# Altium PCB touch-tara-h-3 (final).PcbDoc (part 1 of 8)
Units mm, origin at the board's own origin, x right, y up, seen from the top; angles counter-clockwise.
Board outline 447.8 x 276.35 mm, 2 copper layers (Top Layer, Bottom Layer); 1040 components, 28 nets, 3254 pads, 0 vias.
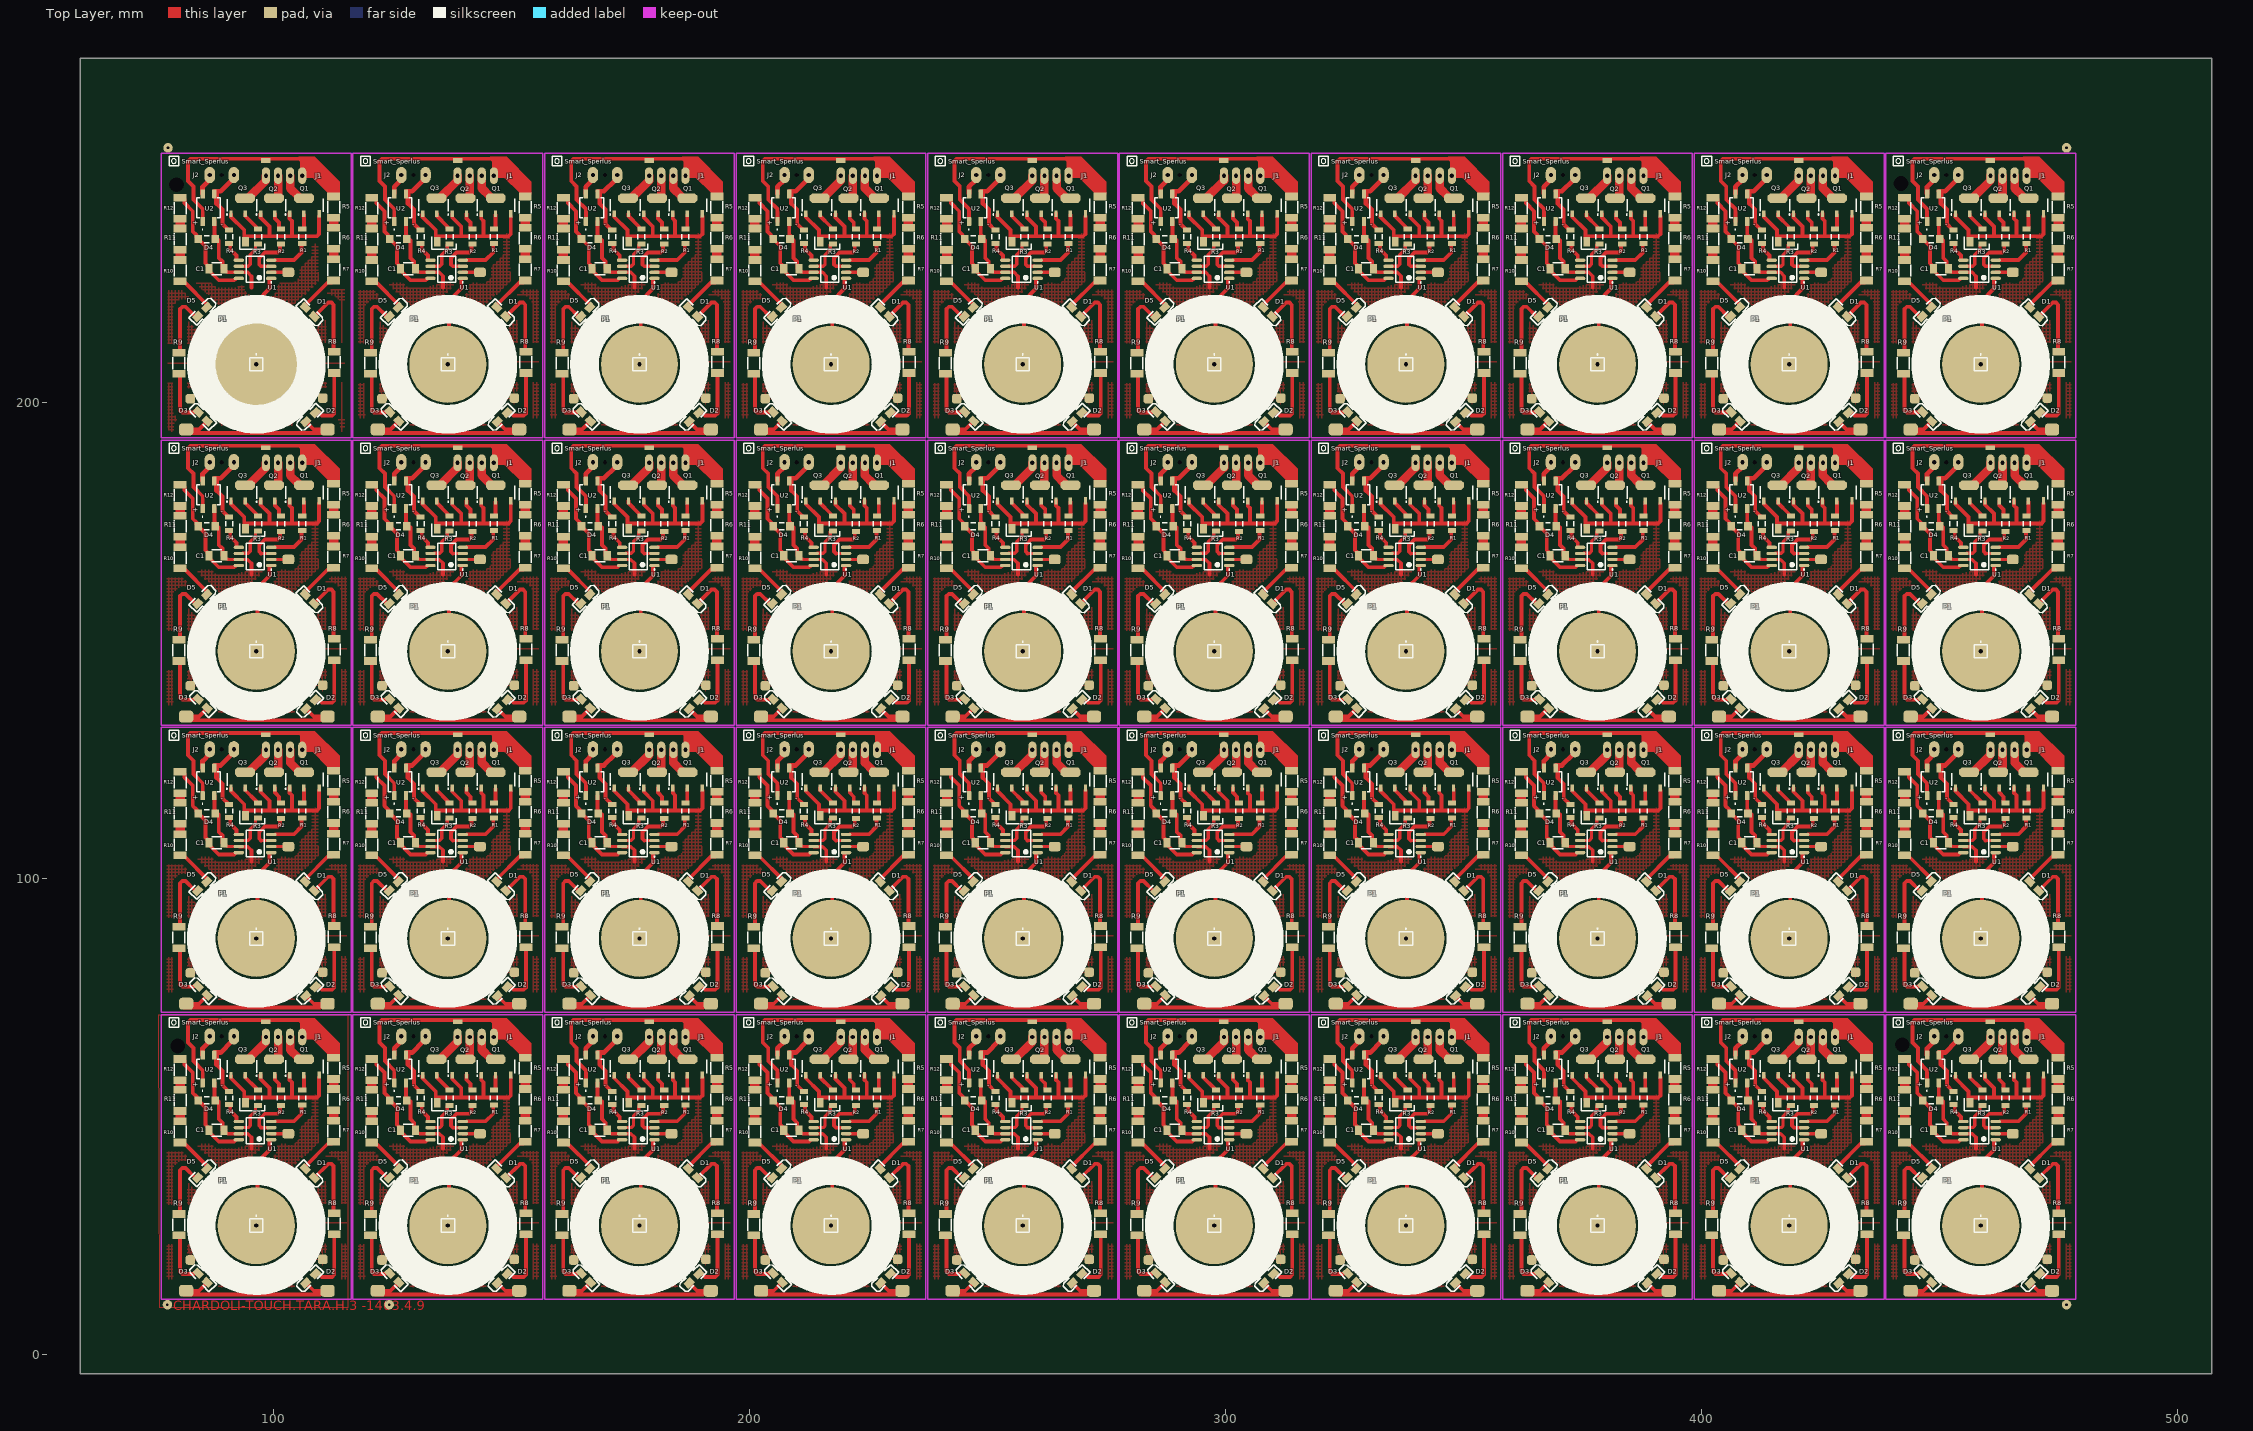
[diagram p0: Top Layer view]
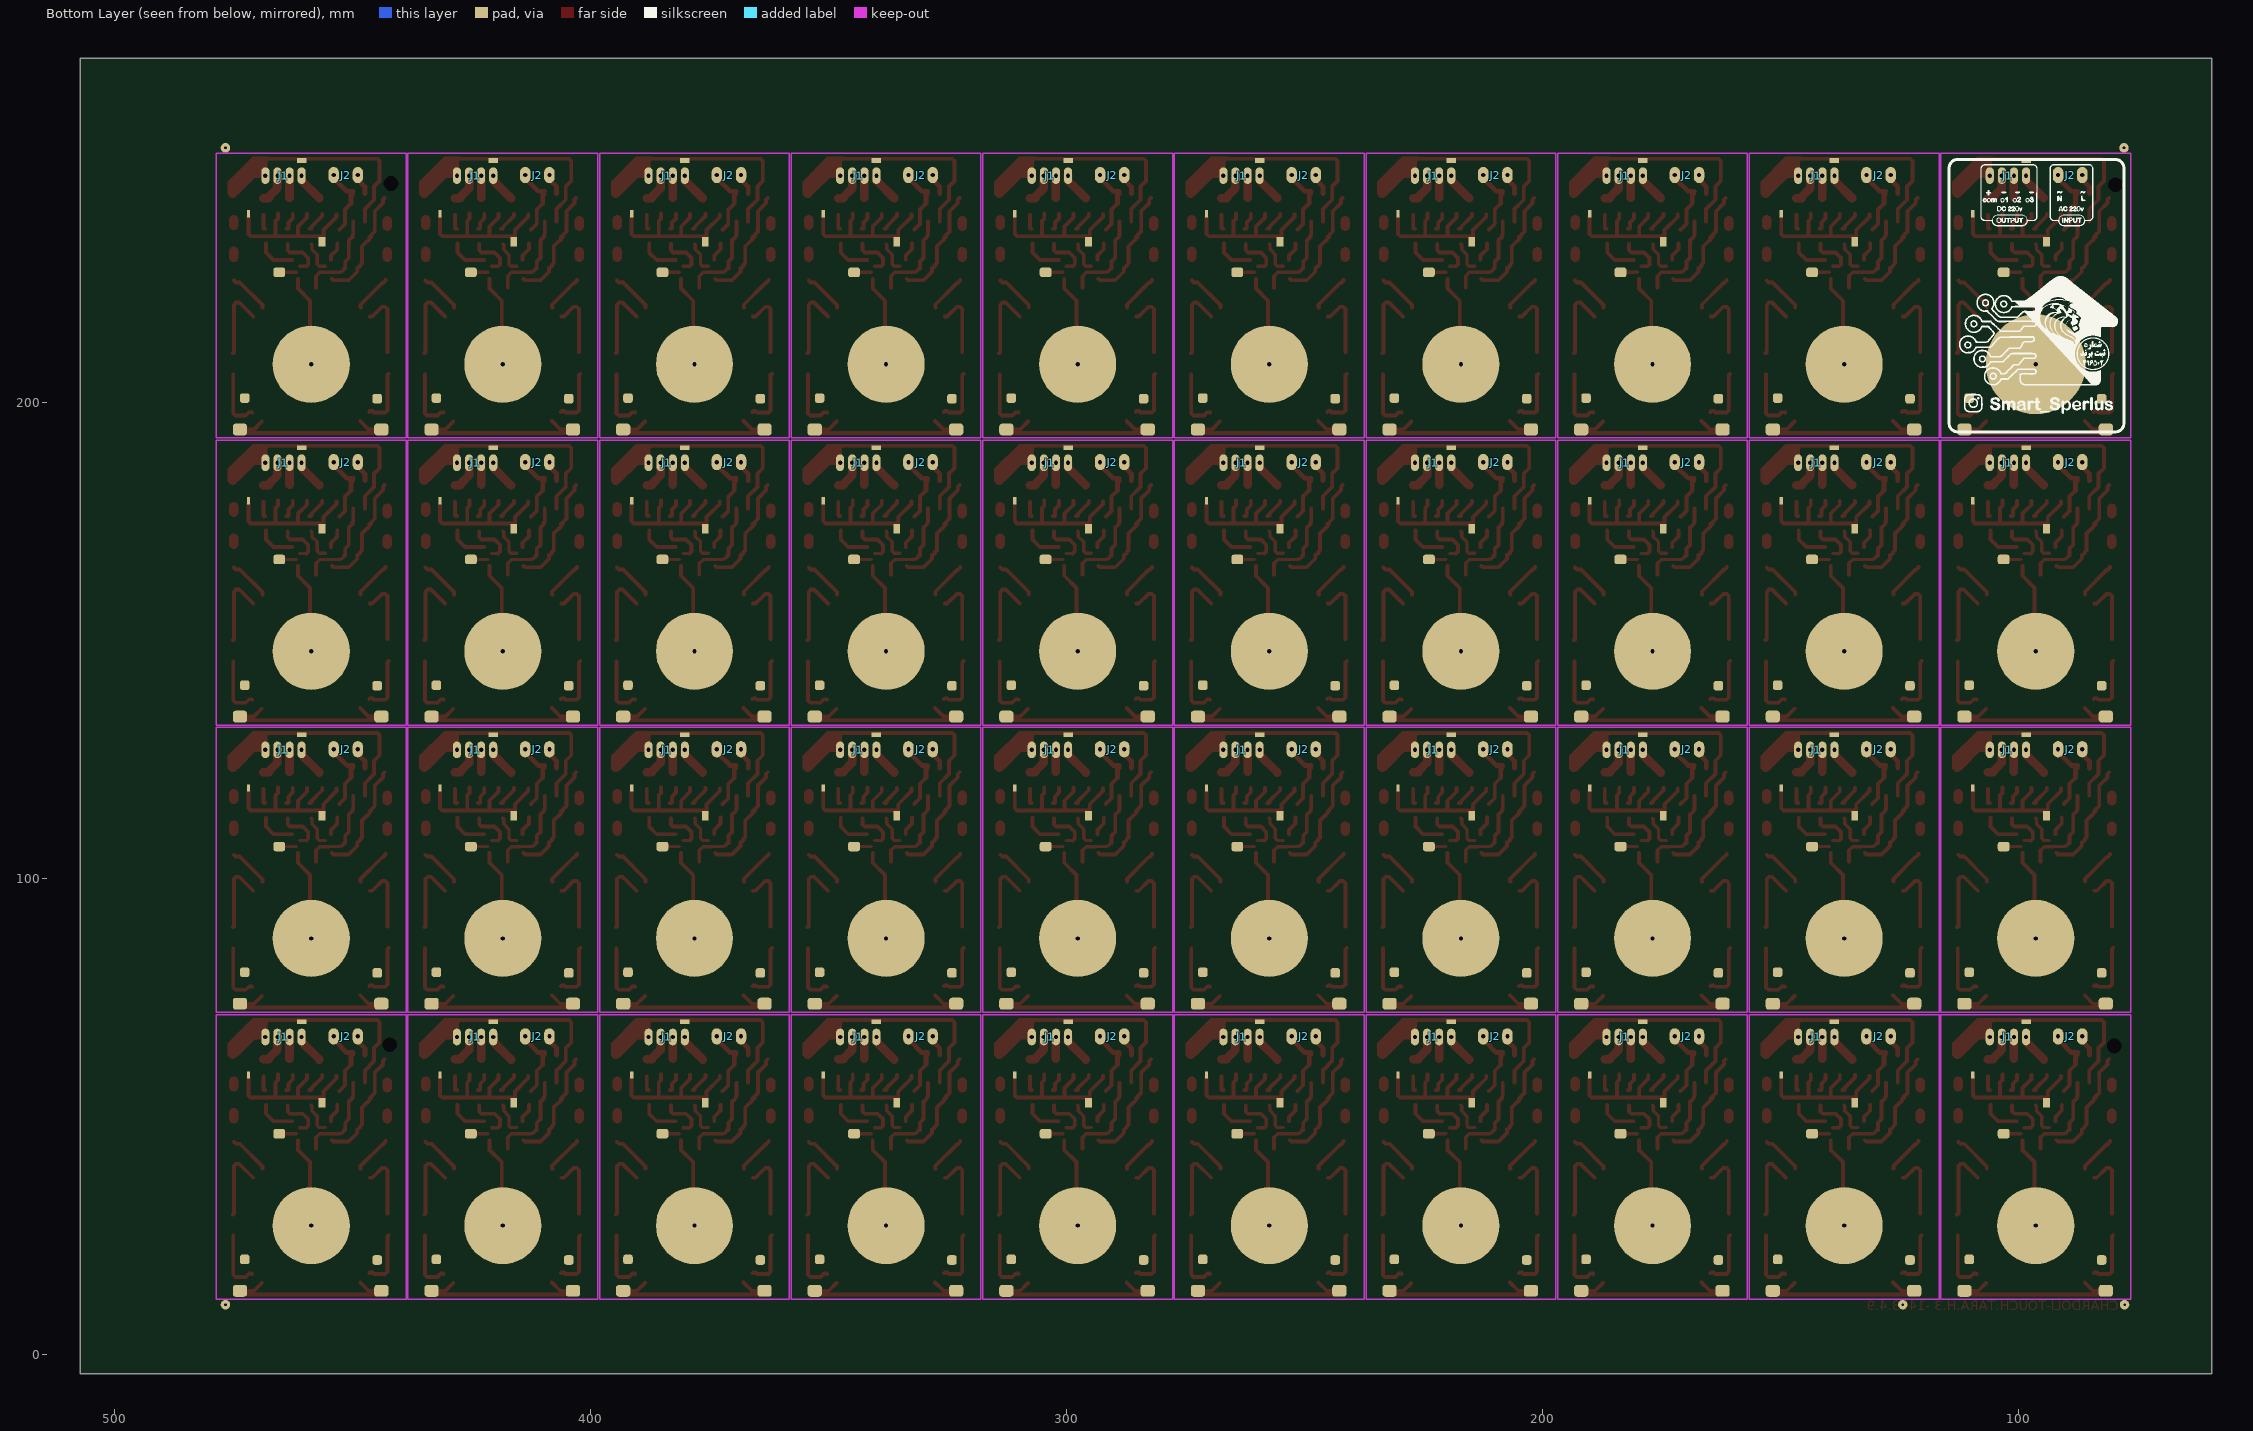
[diagram p1: Bottom Layer view, seen from below]

## Layer stack, top to bottom
Top Solder: solder mask 0.0102, Solder Resist, Dk 3.5
Top Layer: signal copper 0.0356
Dielectric1: dielectric 0.32, FR-4, Dk 4.8
Bottom Layer: signal copper 0.0356
Bottom Solder: solder mask 0.0102, Solder Resist, Dk 3.5

## Board outline
63.373,272.288 507.238,272.288 507.238,-4.064 59.436,-4.064 59.436,272.288

## Design rules (kind name [scope] priority, off if disabled: settings)
Clearance Clearance_1 [InPolygon] p1: gap=1 ignorepadtopadclearanceinfootprint=FALSE except(0: Arc-Hole Track-Hole SMDPad-Hole THPad-Hole Via-Hole Fill-Hole Poly-Hole Region-Hole Text-Hole)
Clearance [All] p2: gap=0.6 ignorepadtopadclearanceinfootprint=FALSE except(0: Arc-Hole Track-Hole SMDPad-Hole THPad-Hole Via-Hole Fill-Hole Poly-Hole Region-Hole Text-Hole)
FabricationTestpoint [(IsPad And (OnTopLayer Or OnBottomLayer))] p1: side=3 testpointundercomponent=TRUE minsize=1.016 maxsize=2.54 preferedsize=1.524 minholesize=0 maxholesize=1.016 preferedholesize=0.813 testpointgrid=0.025 allowsidetop=TRUE allowsidebottom=TRUE usegrid=TRUE gridtolerance=0
PolygonConnect [All] p1: connectstyle=Relief reliefconductorwidth=0.254 reliefentries=4 polygonreliefangle="90 Angle" airgapwidth=0.254
RoutingLayers [All] p1: top layer_v5=FALSE bottom layer_v5=TRUE
RoutingVias [All] p1: holewidth=0.711 width=2.5 viastyle="Through Hole" minholewidth=0.711 minwidth=1.27 maxholewidth=0.711 maxwidth=2
SolderMaskExpansion [All] p1: expansion=0.102 istentingtop=FALSE
Width [All] p1: maxlimit=3 minlimit=0.5 preferedwidth=1
28 further rules are at their usual default settings.

## Classes and differential pairs
component class touch-tara-h: C1 D1 D2 D3 D4 D5 D21 D22 D23 J5 J8 JP? P1 P5 P7 Q2 Q3 R1 R2 R3 R10 R11 R12 R22 U1 U2 U17

## Components (designator, comment, footprint, x,y, rotation, side; value= is the part's Value field where it differs from the comment)
C1 "=Value" "CAP 1206" 85.979,53.34 r0 top
C1 "=Value" "CAP 1206" 126.238,53.34 r0 top
C1 "=Value" "CAP 1206" 166.497,53.34 r0 top
C1 "=Value" "CAP 1206" 206.756,53.34 r0 top
C1 "=Value" "CAP 1206" 247.015,53.34 r0 top
C1 "=Value" "CAP 1206" 287.274,53.34 r0 top
C1 "=Value" "CAP 1206" 327.533,53.34 r0 top
C1 "=Value" "CAP 1206" 367.792,53.34 r0 top
C1 "=Value" "CAP 1206" 408.051,53.34 r0 top
C1 "=Value" "CAP 1206" 448.31,53.34 r0 top
C1 "=Value" "CAP 1206" 85.979,113.665 r0 top
C1 "=Value" "CAP 1206" 126.238,113.665 r0 top
C1 "=Value" "CAP 1206" 166.497,113.665 r0 top
C1 "=Value" "CAP 1206" 206.756,113.665 r0 top
C1 "=Value" "CAP 1206" 247.015,113.665 r0 top
C1 "=Value" "CAP 1206" 287.274,113.665 r0 top
C1 "=Value" "CAP 1206" 327.533,113.665 r0 top
C1 "=Value" "CAP 1206" 367.792,113.665 r0 top
C1 "=Value" "CAP 1206" 408.051,113.665 r0 top
C1 "=Value" "CAP 1206" 448.31,113.665 r0 top
C1 "=Value" "CAP 1206" 448.31,173.99 r0 top
C1 "=Value" "CAP 1206" 408.051,173.99 r0 top
C1 "=Value" "CAP 1206" 367.792,173.99 r0 top
C1 "=Value" "CAP 1206" 327.533,173.99 r0 top
C1 "=Value" "CAP 1206" 287.274,173.99 r0 top
C1 "=Value" "CAP 1206" 247.015,173.99 r0 top
C1 "=Value" "CAP 1206" 206.756,173.99 r0 top
C1 "=Value" "CAP 1206" 166.497,173.99 r0 top
C1 "=Value" "CAP 1206" 126.238,173.99 r0 top
C1 "=Value" "CAP 1206" 85.979,173.99 r0 top
C1 "=Value" "CAP 1206" 448.31,234.315 r0 top
C1 "=Value" "CAP 1206" 408.051,234.315 r0 top
C1 "=Value" "CAP 1206" 367.792,234.315 r0 top
C1 "=Value" "CAP 1206" 327.533,234.315 r0 top
C1 "=Value" "CAP 1206" 287.274,234.315 r0 top
C1 "=Value" "CAP 1206" 247.015,234.315 r0 top
C1 "=Value" "CAP 1206" 206.756,234.315 r0 top
C1 "=Value" "CAP 1206" 166.497,234.315 r0 top
C1 "=Value" "CAP 1206" 126.238,234.315 r0 top
C1 "=Value" "CAP 1206" 85.979,234.315 r0 top
D1 "LED2" 3.2X1.6X1.1#1 107.569,37.973 r315 top
D1 "LED2" 3.2X1.6X1.1#1 147.828,37.973 r315 top
D1 "LED2" 3.2X1.6X1.1#1 188.087,37.973 r315 top
D1 "LED2" 3.2X1.6X1.1#1 228.346,37.973 r315 top
D1 "LED2" 3.2X1.6X1.1#1 268.605,37.973 r315 top
D1 "LED2" 3.2X1.6X1.1#1 308.864,37.973 r315 top
D1 "LED2" 3.2X1.6X1.1#1 349.123,37.973 r315 top
D1 "LED2" 3.2X1.6X1.1#1 389.382,37.973 r315 top
D1 "LED2" 3.2X1.6X1.1#1 429.641,37.973 r315 top
D1 "LED2" 3.2X1.6X1.1#1 469.9,37.973 r315 top
D1 "LED2" 3.2X1.6X1.1#1 107.569,98.298 r315 top
D1 "LED2" 3.2X1.6X1.1#1 147.828,98.298 r315 top
D1 "LED2" 3.2X1.6X1.1#1 188.087,98.298 r315 top
D1 "LED2" 3.2X1.6X1.1#1 228.346,98.298 r315 top
D1 "LED2" 3.2X1.6X1.1#1 268.605,98.298 r315 top
D1 "LED2" 3.2X1.6X1.1#1 308.864,98.298 r315 top
D1 "LED2" 3.2X1.6X1.1#1 349.123,98.298 r315 top
D1 "LED2" 3.2X1.6X1.1#1 389.382,98.298 r315 top
D1 "LED2" 3.2X1.6X1.1#1 429.641,98.298 r315 top
D1 "LED2" 3.2X1.6X1.1#1 469.9,98.298 r315 top
D1 "LED2" 3.2X1.6X1.1#1 469.9,158.623 r315 top
D1 "LED2" 3.2X1.6X1.1#1 429.641,158.623 r315 top
D1 "LED2" 3.2X1.6X1.1#1 389.382,158.623 r315 top
D1 "LED2" 3.2X1.6X1.1#1 349.123,158.623 r315 top
D1 "LED2" 3.2X1.6X1.1#1 308.864,158.623 r315 top
D1 "LED2" 3.2X1.6X1.1#1 268.605,158.623 r315 top
D1 "LED2" 3.2X1.6X1.1#1 228.346,158.623 r315 top
D1 "LED2" 3.2X1.6X1.1#1 188.087,158.623 r315 top
D1 "LED2" 3.2X1.6X1.1#1 147.828,158.623 r315 top
D1 "LED2" 3.2X1.6X1.1#1 107.569,158.623 r315 top
D1 "LED2" 3.2X1.6X1.1#1 469.9,218.948 r315 top
D1 "LED2" 3.2X1.6X1.1#1 429.641,218.948 r315 top
D1 "LED2" 3.2X1.6X1.1#1 389.382,218.948 r315 top
D1 "LED2" 3.2X1.6X1.1#1 349.123,218.948 r315 top
D1 "LED2" 3.2X1.6X1.1#1 308.864,218.948 r315 top
D1 "LED2" 3.2X1.6X1.1#1 268.605,218.948 r315 top
D1 "LED2" 3.2X1.6X1.1#1 228.346,218.948 r315 top
D1 "LED2" 3.2X1.6X1.1#1 188.087,218.948 r315 top
D1 "LED2" 3.2X1.6X1.1#1 147.828,218.948 r315 top
D1 "LED2" 3.2X1.6X1.1#1 107.569,218.948 r315 top
D2 "LED2" 3.2X1.6X1.1#2 107.696,16.002 r225 top
D2 "LED2" 3.2X1.6X1.1#2 147.955,16.002 r225 top
D2 "LED2" 3.2X1.6X1.1#2 188.214,16.002 r225 top
D2 "LED2" 3.2X1.6X1.1#2 228.473,16.002 r225 top
D2 "LED2" 3.2X1.6X1.1#2 268.732,16.002 r225 top
D2 "LED2" 3.2X1.6X1.1#2 308.991,16.002 r225 top
D2 "LED2" 3.2X1.6X1.1#2 349.25,16.002 r225 top
D2 "LED2" 3.2X1.6X1.1#2 389.509,16.002 r225 top
D2 "LED2" 3.2X1.6X1.1#2 429.768,16.002 r225 top
D2 "LED2" 3.2X1.6X1.1#2 470.027,16.002 r225 top
D2 "LED2" 3.2X1.6X1.1#2 107.696,76.327 r225 top
D2 "LED2" 3.2X1.6X1.1#2 147.955,76.327 r225 top
D2 "LED2" 3.2X1.6X1.1#2 188.214,76.327 r225 top
D2 "LED2" 3.2X1.6X1.1#2 228.473,76.327 r225 top
D2 "LED2" 3.2X1.6X1.1#2 268.732,76.327 r225 top
D2 "LED2" 3.2X1.6X1.1#2 308.991,76.327 r225 top
D2 "LED2" 3.2X1.6X1.1#2 349.25,76.327 r225 top
D2 "LED2" 3.2X1.6X1.1#2 389.509,76.327 r225 top
D2 "LED2" 3.2X1.6X1.1#2 429.768,76.327 r225 top
D2 "LED2" 3.2X1.6X1.1#2 470.027,76.327 r225 top
D2 "LED2" 3.2X1.6X1.1#2 470.027,136.652 r225 top
D2 "LED2" 3.2X1.6X1.1#2 429.768,136.652 r225 top
D2 "LED2" 3.2X1.6X1.1#2 389.509,136.652 r225 top
D2 "LED2" 3.2X1.6X1.1#2 349.25,136.652 r225 top
D2 "LED2" 3.2X1.6X1.1#2 308.991,136.652 r225 top
D2 "LED2" 3.2X1.6X1.1#2 268.732,136.652 r225 top
D2 "LED2" 3.2X1.6X1.1#2 228.473,136.652 r225 top
D2 "LED2" 3.2X1.6X1.1#2 188.214,136.652 r225 top
D2 "LED2" 3.2X1.6X1.1#2 147.955,136.652 r225 top
D2 "LED2" 3.2X1.6X1.1#2 107.696,136.652 r225 top
D2 "LED2" 3.2X1.6X1.1#2 470.027,196.977 r225 top
D2 "LED2" 3.2X1.6X1.1#2 429.768,196.977 r225 top
D2 "LED2" 3.2X1.6X1.1#2 389.509,196.977 r225 top
D2 "LED2" 3.2X1.6X1.1#2 349.25,196.977 r225 top
D2 "LED2" 3.2X1.6X1.1#2 308.991,196.977 r225 top
D2 "LED2" 3.2X1.6X1.1#2 268.732,196.977 r225 top
D2 "LED2" 3.2X1.6X1.1#2 228.473,196.977 r225 top
D2 "LED2" 3.2X1.6X1.1#2 188.214,196.977 r225 top
D2 "LED2" 3.2X1.6X1.1#2 147.955,196.977 r225 top
D2 "LED2" 3.2X1.6X1.1#2 107.696,196.977 r225 top
D3 "LED2" 3.2X1.6X1.1#3 85.217,16.002 r135 top
D3 "LED2" 3.2X1.6X1.1#3 125.476,16.002 r135 top
D3 "LED2" 3.2X1.6X1.1#3 165.735,16.002 r135 top
D3 "LED2" 3.2X1.6X1.1#3 205.994,16.002 r135 top
D3 "LED2" 3.2X1.6X1.1#3 246.253,16.002 r135 top
D3 "LED2" 3.2X1.6X1.1#3 286.512,16.002 r135 top
D3 "LED2" 3.2X1.6X1.1#3 326.771,16.002 r135 top
D3 "LED2" 3.2X1.6X1.1#3 367.03,16.002 r135 top
D3 "LED2" 3.2X1.6X1.1#3 407.289,16.002 r135 top
D3 "LED2" 3.2X1.6X1.1#3 447.548,16.002 r135 top
D3 "LED2" 3.2X1.6X1.1#3 85.217,76.327 r135 top
D3 "LED2" 3.2X1.6X1.1#3 125.476,76.327 r135 top
D3 "LED2" 3.2X1.6X1.1#3 165.735,76.327 r135 top
D3 "LED2" 3.2X1.6X1.1#3 205.994,76.327 r135 top
D3 "LED2" 3.2X1.6X1.1#3 246.253,76.327 r135 top
D3 "LED2" 3.2X1.6X1.1#3 286.512,76.327 r135 top
D3 "LED2" 3.2X1.6X1.1#3 326.771,76.327 r135 top
D3 "LED2" 3.2X1.6X1.1#3 367.03,76.327 r135 top
D3 "LED2" 3.2X1.6X1.1#3 407.289,76.327 r135 top
D3 "LED2" 3.2X1.6X1.1#3 447.548,76.327 r135 top
D3 "LED2" 3.2X1.6X1.1#3 447.548,136.652 r135 top
D3 "LED2" 3.2X1.6X1.1#3 407.289,136.652 r135 top
D3 "LED2" 3.2X1.6X1.1#3 367.03,136.652 r135 top
D3 "LED2" 3.2X1.6X1.1#3 326.771,136.652 r135 top
D3 "LED2" 3.2X1.6X1.1#3 286.512,136.652 r135 top
D3 "LED2" 3.2X1.6X1.1#3 246.253,136.652 r135 top
D3 "LED2" 3.2X1.6X1.1#3 205.994,136.652 r135 top
D3 "LED2" 3.2X1.6X1.1#3 165.735,136.652 r135 top
D3 "LED2" 3.2X1.6X1.1#3 125.476,136.652 r135 top
D3 "LED2" 3.2X1.6X1.1#3 85.217,136.652 r135 top
D3 "LED2" 3.2X1.6X1.1#3 447.548,196.977 r135 top
D3 "LED2" 3.2X1.6X1.1#3 407.289,196.977 r135 top
D3 "LED2" 3.2X1.6X1.1#3 367.03,196.977 r135 top
D3 "LED2" 3.2X1.6X1.1#3 326.771,196.977 r135 top
D3 "LED2" 3.2X1.6X1.1#3 286.512,196.977 r135 top
D3 "LED2" 3.2X1.6X1.1#3 246.253,196.977 r135 top
D3 "LED2" 3.2X1.6X1.1#3 205.994,196.977 r135 top
D3 "LED2" 3.2X1.6X1.1#3 165.735,196.977 r135 top
D3 "LED2" 3.2X1.6X1.1#3 125.476,196.977 r135 top
D3 "LED2" 3.2X1.6X1.1#3 85.217,196.977 r135 top
D4 "Diode" C1206 88.265,47.117 r180 top
D4 "Diode" C1206 128.524,47.117 r180 top
D4 "Diode" C1206 168.783,47.117 r180 top
D4 "Diode" C1206 209.042,47.117 r180 top
D4 "Diode" C1206 249.301,47.117 r180 top
D4 "Diode" C1206 289.56,47.117 r180 top
D4 "Diode" C1206 329.819,47.117 r180 top
D4 "Diode" C1206 370.078,47.117 r180 top
D4 "Diode" C1206 410.337,47.117 r180 top
D4 "Diode" C1206 450.596,47.117 r180 top
D4 "Diode" C1206 88.265,107.442 r180 top
D4 "Diode" C1206 128.524,107.442 r180 top
D4 "Diode" C1206 168.783,107.442 r180 top
D4 "Diode" C1206 209.042,107.442 r180 top
D4 "Diode" C1206 249.301,107.442 r180 top
D4 "Diode" C1206 289.56,107.442 r180 top
D4 "Diode" C1206 329.819,107.442 r180 top
D4 "Diode" C1206 370.078,107.442 r180 top
D4 "Diode" C1206 410.337,107.442 r180 top
D4 "Diode" C1206 450.596,107.442 r180 top
D4 "Diode" C1206 450.596,167.767 r180 top
D4 "Diode" C1206 410.337,167.767 r180 top
D4 "Diode" C1206 370.078,167.767 r180 top
D4 "Diode" C1206 329.819,167.767 r180 top
D4 "Diode" C1206 289.56,167.767 r180 top
D4 "Diode" C1206 249.301,167.767 r180 top
D4 "Diode" C1206 209.042,167.767 r180 top
D4 "Diode" C1206 168.783,167.767 r180 top
D4 "Diode" C1206 128.524,167.767 r180 top
D4 "Diode" C1206 88.265,167.767 r180 top
D4 "Diode" C1206 450.596,228.092 r180 top
D4 "Diode" C1206 410.337,228.092 r180 top
D4 "Diode" C1206 370.078,228.092 r180 top
D4 "Diode" C1206 329.819,228.092 r180 top
D4 "Diode" C1206 289.56,228.092 r180 top
D4 "Diode" C1206 249.301,228.092 r180 top
D4 "Diode" C1206 209.042,228.092 r180 top
D4 "Diode" C1206 168.783,228.092 r180 top
D4 "Diode" C1206 128.524,228.092 r180 top
D4 "Diode" C1206 88.265,228.092 r180 top
D5 "LED2" 3.2X1.6X1.1#4 85.09,38.1 r45 top
D5 "LED2" 3.2X1.6X1.1#4 125.349,38.1 r45 top
D5 "LED2" 3.2X1.6X1.1#4 165.608,38.1 r45 top
D5 "LED2" 3.2X1.6X1.1#4 205.867,38.1 r45 top
D5 "LED2" 3.2X1.6X1.1#4 246.126,38.1 r45 top
D5 "LED2" 3.2X1.6X1.1#4 286.385,38.1 r45 top
D5 "LED2" 3.2X1.6X1.1#4 326.644,38.1 r45 top
D5 "LED2" 3.2X1.6X1.1#4 366.903,38.1 r45 top
D5 "LED2" 3.2X1.6X1.1#4 407.162,38.1 r45 top
D5 "LED2" 3.2X1.6X1.1#4 447.421,38.1 r45 top
D5 "LED2" 3.2X1.6X1.1#4 85.09,98.425 r45 top
D5 "LED2" 3.2X1.6X1.1#4 125.349,98.425 r45 top
D5 "LED2" 3.2X1.6X1.1#4 165.608,98.425 r45 top
D5 "LED2" 3.2X1.6X1.1#4 205.867,98.425 r45 top
D5 "LED2" 3.2X1.6X1.1#4 246.126,98.425 r45 top
D5 "LED2" 3.2X1.6X1.1#4 286.385,98.425 r45 top
D5 "LED2" 3.2X1.6X1.1#4 326.644,98.425 r45 top
D5 "LED2" 3.2X1.6X1.1#4 366.903,98.425 r45 top
D5 "LED2" 3.2X1.6X1.1#4 407.162,98.425 r45 top
D5 "LED2" 3.2X1.6X1.1#4 447.421,98.425 r45 top
D5 "LED2" 3.2X1.6X1.1#4 447.421,158.75 r45 top
D5 "LED2" 3.2X1.6X1.1#4 407.162,158.75 r45 top
D5 "LED2" 3.2X1.6X1.1#4 366.903,158.75 r45 top
D5 "LED2" 3.2X1.6X1.1#4 326.644,158.75 r45 top
D5 "LED2" 3.2X1.6X1.1#4 286.385,158.75 r45 top
D5 "LED2" 3.2X1.6X1.1#4 246.126,158.75 r45 top
D5 "LED2" 3.2X1.6X1.1#4 205.867,158.75 r45 top
D5 "LED2" 3.2X1.6X1.1#4 165.608,158.75 r45 top
D5 "LED2" 3.2X1.6X1.1#4 125.349,158.75 r45 top
D5 "LED2" 3.2X1.6X1.1#4 85.09,158.75 r45 top
D5 "LED2" 3.2X1.6X1.1#4 447.421,219.075 r45 top
D5 "LED2" 3.2X1.6X1.1#4 407.162,219.075 r45 top
D5 "LED2" 3.2X1.6X1.1#4 366.903,219.075 r45 top
D5 "LED2" 3.2X1.6X1.1#4 326.644,219.075 r45 top
D5 "LED2" 3.2X1.6X1.1#4 286.385,219.075 r45 top
D5 "LED2" 3.2X1.6X1.1#4 246.126,219.075 r45 top
D5 "LED2" 3.2X1.6X1.1#4 205.867,219.075 r45 top
D5 "LED2" 3.2X1.6X1.1#4 165.608,219.075 r45 top
D5 "LED2" 3.2X1.6X1.1#4 125.349,219.075 r45 top
D5 "LED2" 3.2X1.6X1.1#4 85.09,219.075 r45 top
J1 "Header4X1" "HEADER 4X1" 106.045,66.675 r180 bottom
J1 "Header4X1" "HEADER 4X1" 146.304,66.675 r180 bottom
J1 "Header4X1" "HEADER 4X1" 186.563,66.675 r180 bottom
J1 "Header4X1" "HEADER 4X1" 226.822,66.675 r180 bottom
J1 "Header4X1" "HEADER 4X1" 267.081,66.675 r180 bottom
J1 "Header4X1" "HEADER 4X1" 307.34,66.675 r180 bottom
J1 "Header4X1" "HEADER 4X1" 347.599,66.675 r180 bottom
J1 "Header4X1" "HEADER 4X1" 387.858,66.675 r180 bottom
J1 "Header4X1" "HEADER 4X1" 428.117,66.675 r180 bottom
J1 "Header4X1" "HEADER 4X1" 468.376,66.675 r180 bottom
J1 "Header4X1" "HEADER 4X1" 106.045,127 r180 bottom
J1 "Header4X1" "HEADER 4X1" 146.304,127 r180 bottom
J1 "Header4X1" "HEADER 4X1" 186.563,127 r180 bottom
J1 "Header4X1" "HEADER 4X1" 226.822,127 r180 bottom
J1 "Header4X1" "HEADER 4X1" 267.081,127 r180 bottom
J1 "Header4X1" "HEADER 4X1" 307.34,127 r180 bottom
J1 "Header4X1" "HEADER 4X1" 347.599,127 r180 bottom
J1 "Header4X1" "HEADER 4X1" 387.858,127 r180 bottom
J1 "Header4X1" "HEADER 4X1" 428.117,127 r180 bottom
J1 "Header4X1" "HEADER 4X1" 468.376,127 r180 bottom
J1 "Header4X1" "HEADER 4X1" 468.376,187.325 r180 bottom
J1 "Header4X1" "HEADER 4X1" 428.117,187.325 r180 bottom
J1 "Header4X1" "HEADER 4X1" 387.858,187.325 r180 bottom
J1 "Header4X1" "HEADER 4X1" 347.599,187.325 r180 bottom
J1 "Header4X1" "HEADER 4X1" 307.34,187.325 r180 bottom
J1 "Header4X1" "HEADER 4X1" 267.081,187.325 r180 bottom
J1 "Header4X1" "HEADER 4X1" 226.822,187.325 r180 bottom
J1 "Header4X1" "HEADER 4X1" 186.563,187.325 r180 bottom
J1 "Header4X1" "HEADER 4X1" 146.304,187.325 r180 bottom
J1 "Header4X1" "HEADER 4X1" 106.045,187.325 r180 bottom
J1 "Header4X1" "HEADER 4X1" 468.376,247.65 r180 bottom
J1 "Header4X1" "HEADER 4X1" 428.117,247.65 r180 bottom
J1 "Header4X1" "HEADER 4X1" 387.858,247.65 r180 bottom
J1 "Header4X1" "HEADER 4X1" 347.599,247.65 r180 bottom
J1 "Header4X1" "HEADER 4X1" 307.34,247.65 r180 bottom
J1 "Header4X1" "HEADER 4X1" 267.081,247.65 r180 bottom
J1 "Header4X1" "HEADER 4X1" 226.822,247.65 r180 bottom
J1 "Header4X1" "HEADER 4X1" 186.563,247.65 r180 bottom
J1 "Header4X1" "HEADER 4X1" 146.304,247.65 r180 bottom
J1 "Header4X1" "HEADER 4X1" 106.045,247.65 r180 bottom
J2 "Header3X1" "HEADER 3X1" 86.614,66.802 r0 bottom
J2 "Header3X1" "HEADER 3X1" 126.873,66.802 r0 bottom
J2 "Header3X1" "HEADER 3X1" 167.132,66.802 r0 bottom
J2 "Header3X1" "HEADER 3X1" 207.391,66.802 r0 bottom
J2 "Header3X1" "HEADER 3X1" 247.65,66.802 r0 bottom
J2 "Header3X1" "HEADER 3X1" 287.909,66.802 r0 bottom
J2 "Header3X1" "HEADER 3X1" 328.168,66.802 r0 bottom
J2 "Header3X1" "HEADER 3X1" 368.427,66.802 r0 bottom
J2 "Header3X1" "HEADER 3X1" 408.686,66.802 r0 bottom
J2 "Header3X1" "HEADER 3X1" 448.945,66.802 r0 bottom
J2 "Header3X1" "HEADER 3X1" 86.614,127.127 r0 bottom
J2 "Header3X1" "HEADER 3X1" 126.873,127.127 r0 bottom
J2 "Header3X1" "HEADER 3X1" 167.132,127.127 r0 bottom
J2 "Header3X1" "HEADER 3X1" 207.391,127.127 r0 bottom
J2 "Header3X1" "HEADER 3X1" 247.65,127.127 r0 bottom
J2 "Header3X1" "HEADER 3X1" 287.909,127.127 r0 bottom
J2 "Header3X1" "HEADER 3X1" 328.168,127.127 r0 bottom
J2 "Header3X1" "HEADER 3X1" 368.427,127.127 r0 bottom
J2 "Header3X1" "HEADER 3X1" 408.686,127.127 r0 bottom
J2 "Header3X1" "HEADER 3X1" 448.945,127.127 r0 bottom
J2 "Header3X1" "HEADER 3X1" 448.945,187.452 r0 bottom
J2 "Header3X1" "HEADER 3X1" 408.686,187.452 r0 bottom
J2 "Header3X1" "HEADER 3X1" 368.427,187.452 r0 bottom
J2 "Header3X1" "HEADER 3X1" 328.168,187.452 r0 bottom
J2 "Header3X1" "HEADER 3X1" 287.909,187.452 r0 bottom
J2 "Header3X1" "HEADER 3X1" 247.65,187.452 r0 bottom
J2 "Header3X1" "HEADER 3X1" 207.391,187.452 r0 bottom
J2 "Header3X1" "HEADER 3X1" 167.132,187.452 r0 bottom
J2 "Header3X1" "HEADER 3X1" 126.873,187.452 r0 bottom
J2 "Header3X1" "HEADER 3X1" 86.614,187.452 r0 bottom
J2 "Header3X1" "HEADER 3X1" 448.945,247.777 r0 bottom
J2 "Header3X1" "HEADER 3X1" 408.686,247.777 r0 bottom
J2 "Header3X1" "HEADER 3X1" 368.427,247.777 r0 bottom
J2 "Header3X1" "HEADER 3X1" 328.168,247.777 r0 bottom
J2 "Header3X1" "HEADER 3X1" 287.909,247.777 r0 bottom
J2 "Header3X1" "HEADER 3X1" 247.65,247.777 r0 bottom
J2 "Header3X1" "HEADER 3X1" 207.391,247.777 r0 bottom
J2 "Header3X1" "HEADER 3X1" 167.132,247.777 r0 bottom
J2 "Header3X1" "HEADER 3X1" 126.873,247.777 r0 bottom
J2 "Header3X1" "HEADER 3X1" 86.614,247.777 r0 bottom
P1 "Plug" PIN1#1 96.393,27.051 r0 top
P1 "Plug" PIN1#1 136.652,27.051 r0 top
P1 "Plug" PIN1#1 176.911,27.051 r0 top
P1 "Plug" PIN1#1 217.17,27.051 r0 top
P1 "Plug" PIN1#1 257.429,27.051 r0 top
P1 "Plug" PIN1#1 297.688,27.051 r0 top
P1 "Plug" PIN1#1 337.947,27.051 r0 top